# Altium PCB Flow_Pump.PcbDoc (part 3 of 3) (continued)
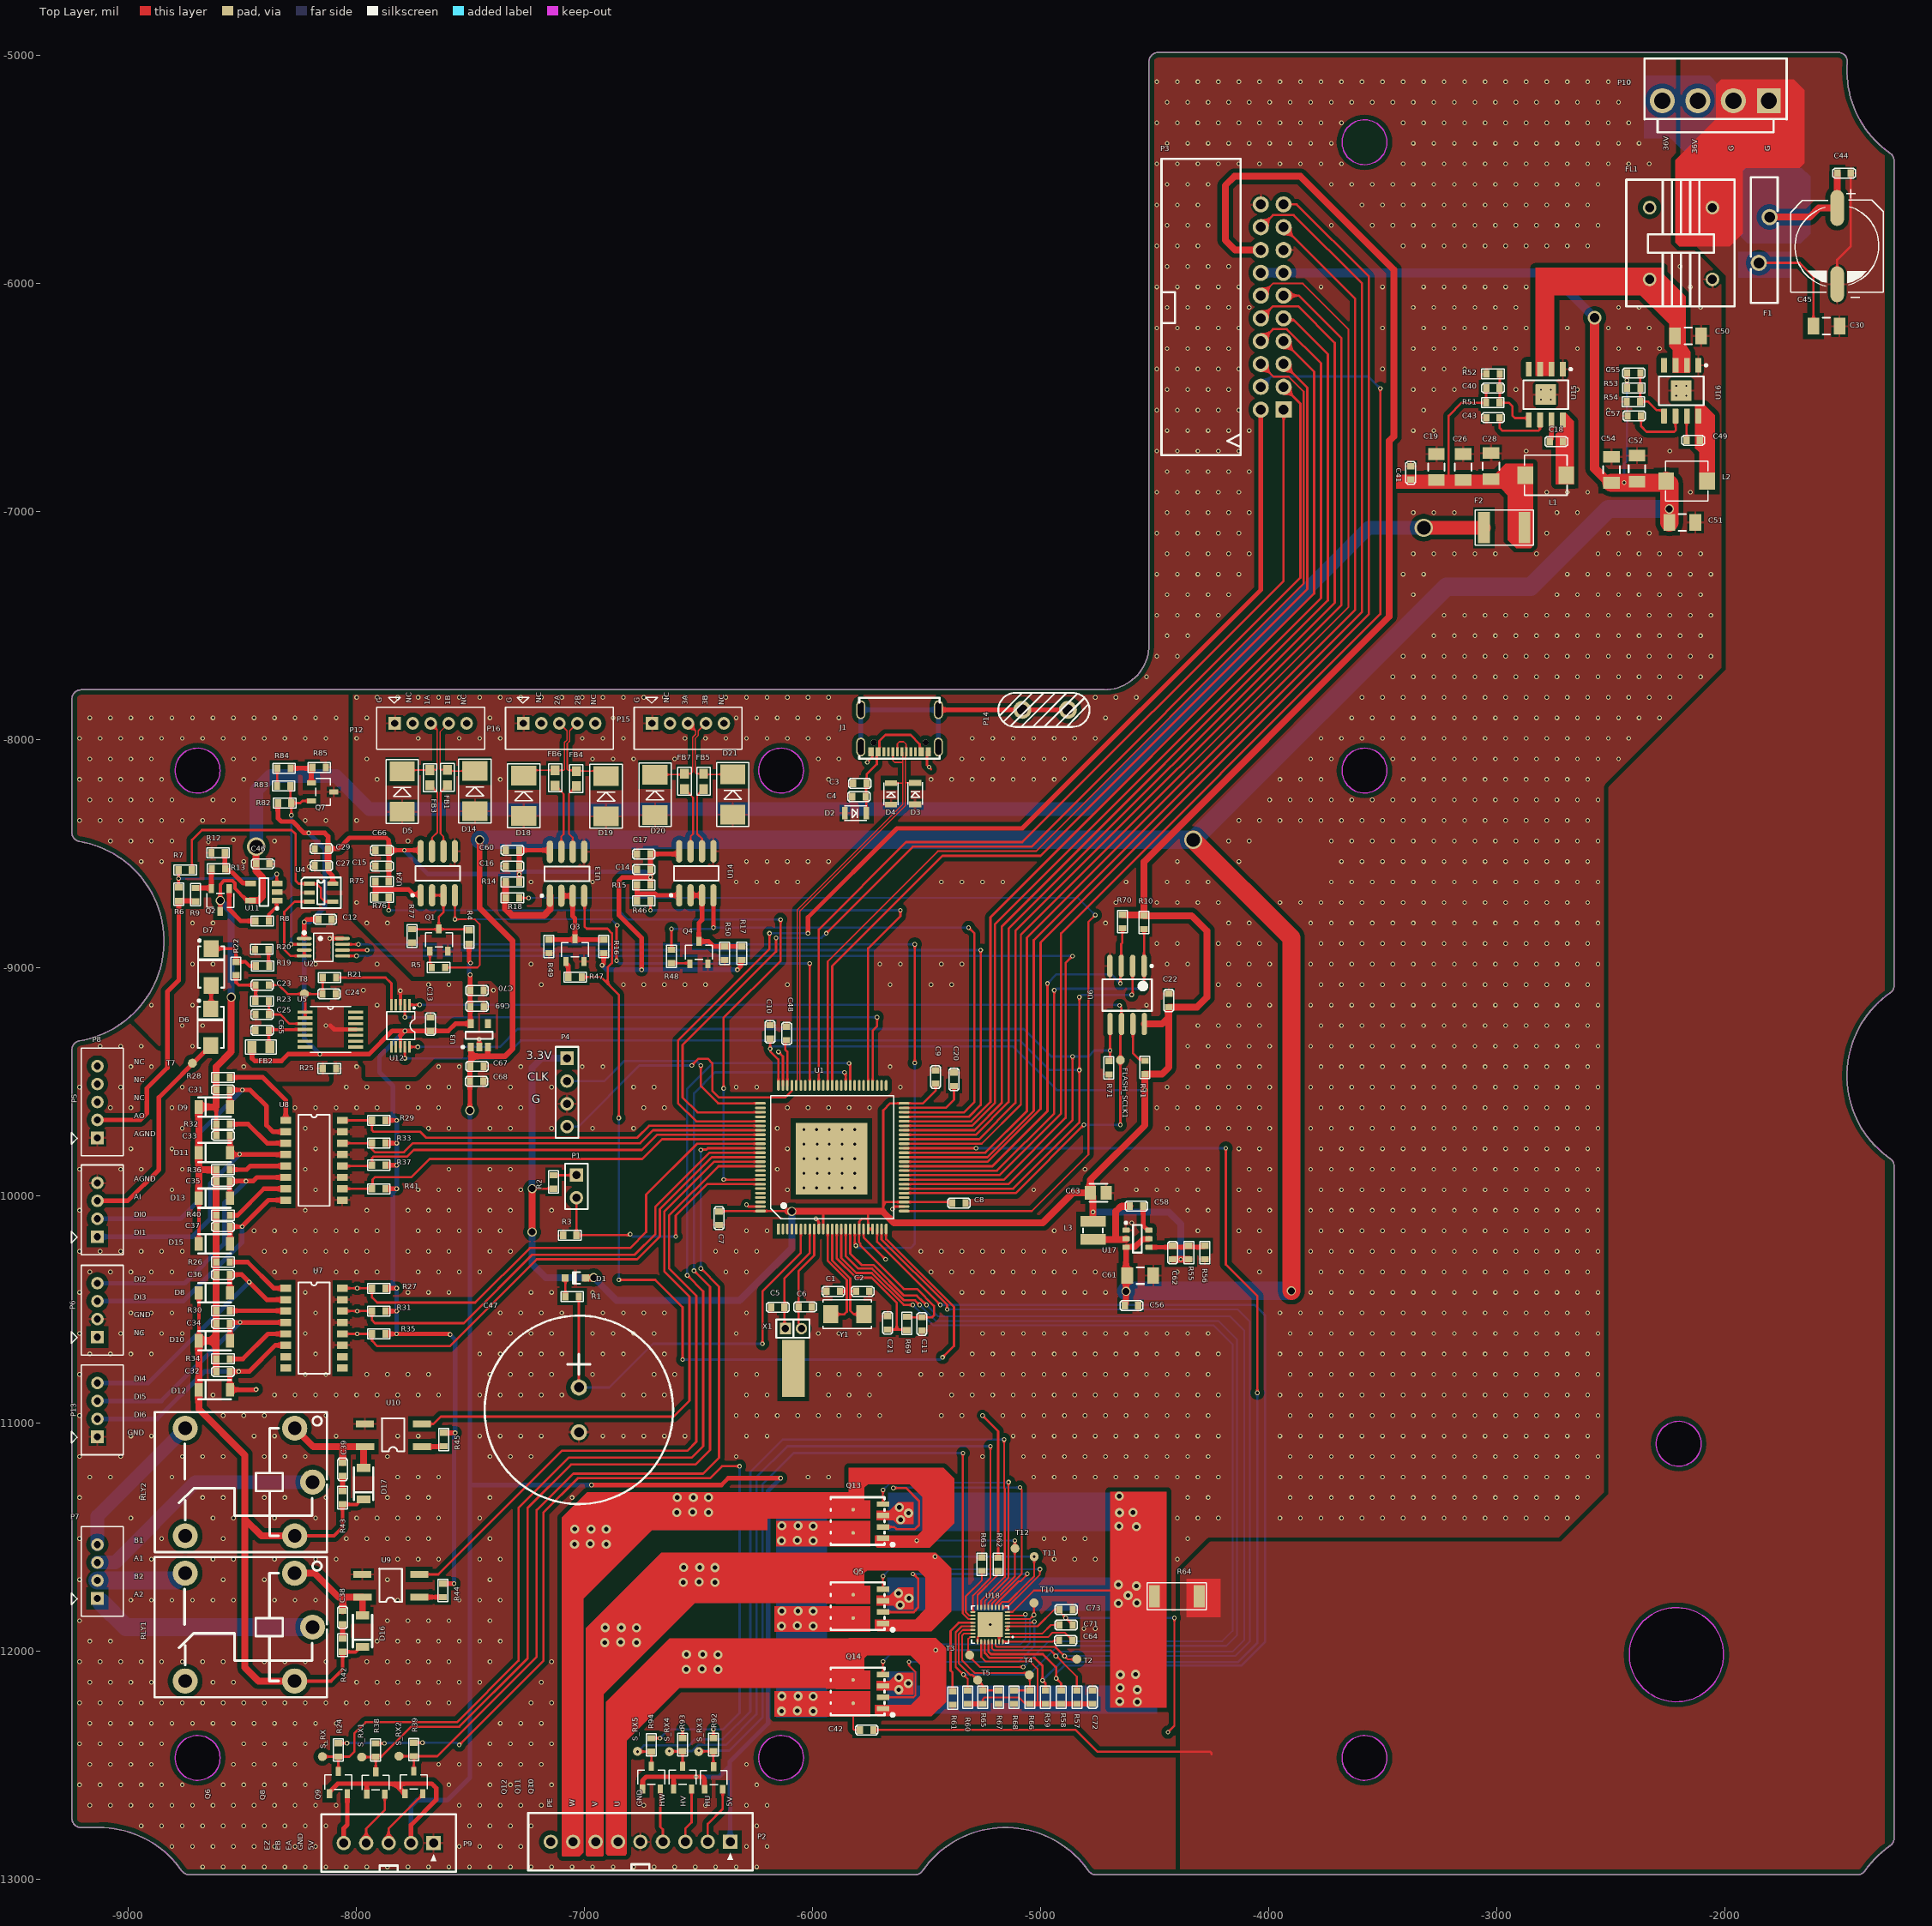
[diagram p0: Top Layer view]
## Nets (pads, with @x,y where several pads share a name; then routed paths per layer and width w, separated by ;. In a path a pad name is that pad's centre, name@x,y a point inside that pad or via, vN(x,y) a via of type N, cw(c..) or ccw(c..) an arc to the next point about the centre after c; other vN are vias at no path point) (continued)
  Bottom Layer w10: v1(-7953.8,-8923.8) v1(-5262.74,-8923.8)
SDA: P3.2 U1.80 | length 4915.7
  Top Layer w10: U1.80@-6228.74,-9674.56 -6510,-9674.56 -6590,-9594.56 -6590,-9320 -6188.76,-8918.76 v1(-6188.76,-8850)
  Top Layer w20: v1(-6020,-8850) -6020,-8780 -5630,-8390 -5080,-8390 -4034,-7344 P3.2@-4034,-6553
  Bottom Layer w10: v1(-6188.76,-8850) v1(-6020,-8850)
SIOUT0: P8.2 R6.2 R9.2 | length 1293.7
  Top Layer w20: P8.2@-9137,-9668.61 -8948.61,-9668.61 -8920,-9640 -8920,-9530 -8830,-9440 -8830,-9105.89 -8780,-9055.89 R6.2@-8780,-8708 -8708.06,-8708 R9.2@-8706,-8710.06
SW1: P3.8 U1.45 | length 4624.7
  Top Layer w10: U1.45@-5598.82,-9694.24 -5300.32,-9694.24 -5200,-9593.93 -5200,-8810 -3770,-7380 -3770,-6350 -3920,-6200 -3981,-6200 P3.8@-4034,-6253
SW2: P3.9 U1.44 | length 4613.8
  Top Layer w10: U1.44@-5598.82,-9713.93 -5290.03,-9713.93 -5170,-9593.9 -5170,-8820 -3740,-7390 -3740,-6310 -3889.84,-6160.16 -3926.84,-6160.16 P3.9@-3934,-6153
SWCLK: P4.2 U1.76 | length 1014.4
  Top Layer w10: v2(-6490,-9430) -6490,-9520 -6414.18,-9595.82 U1.76@-6228.74,-9595.82
  Bottom Layer w10: P4.2@-7077,-9498 -6913.2,-9498 -6825.2,-9410 -6510,-9410 v2(-6490,-9430)
SWD: P4.4 U1.72 | length 1286.1
  Top Layer w10: v2(-6530,-9430) -6500,-9400 -6460,-9400 -6440,-9420 -6440,-9540 -6410,-9570 -6120,-9570 -6091.29,-9541.29 -6091.29,-9517.43 U1.72@-6090.94,-9517.08
  Bottom Layer w10: P4.4@-7077,-9698 -7028,-9698 -6760,-9430 v2(-6530,-9430)
TE: P3.18 U1.38 | length 5468.5
  Top Layer w10: U1.38@-5598.82,-9832.04 -5233.25,-9832.04 -5030,-9628.79 -5030,-8880 -3590,-7440 -3590,-6000 -3890,-5700 -3981,-5700 P3.18@-4034,-5753
USB_N: D3.2 J1.A7 J1.B7 U1.70 | length 1817.5
  Top Layer w6: U1.70@-6051.58,-9517.08 -6051.58,-9497.79 -6055.42,-9493.95 -6055.42,-8752.39 -5621.31,-8318.28 -5621.14,-8318.28 -5592.44,-8289.58 -5592.44,-8192.1 ; J1.A7@-5627.97,-8054 -5627.97,-8017.97 -5620,-8010 -5600,-8010 -5590,-8020 -5590,-8052.6 J1.B7@-5588.6,-8054 -5591.5,-8056.91 -5591.5,-8073.26 -5592.44,-8074.2 -5592.44,-8192.1 ; D3.2@-5550,-8190 -5590.35,-8190 -5592.44,-8192.1
USB_P: D4.2 J1.A6 J1.B6 U1.71 | length 1796.2
  Top Layer w6: U1.71@-6071.26,-9517.08 -6071.26,-9497.79 -6067.42,-9493.95 -6067.42,-8747.42 -5626.28,-8306.28 -5626.11,-8306.28 -5604.44,-8284.61 -5604.44,-8191.39 ; D4.2@-5656,-8191 -5604.83,-8191 -5604.44,-8191.39 ; J1.B6@-5647.65,-8054 -5647.65,-8092.35 -5640,-8100 -5608.37,-8100 -5604.44,-8103.93 ; J1.A6@-5608.28,-8054 -5605.38,-8056.91 -5605.38,-8073.26 -5604.44,-8074.2 -5604.44,-8103.93 ; -5604.44,-8191.39 -5604.44,-8103.93
VCC_3.3V_F: C72.1 R57.2 R58.2 R59.2 R60.2 R65.1 R66.1 U18.26 | length 1072.5
  Top Layer w8: U18.26@-5260.36,-11957.41 -5260.36,-12024.64 -5241,-12044 -5046.22,-12044 -5013.61,-12076.61 -5013.61,-12229.11 -5012.72,-12230 ; R65.1@-5253.44,-12230 -5252.91,-12229.46 -5252.91,-12208.91 -5246,-12202 -5095,-12202 -5071.16,-12225.84 -5051.27,-12225.84 R66.1@-5047.11,-12230
  Top Layer w20: R60.2@-5320,-12230.06 -5253.5,-12230.06 R65.1@-5253.44,-12230 ; R66.1@-5047.11,-12230 -5012.72,-12230 R59.2@-4978.33,-12230 R58.2@-4909.56,-12230 R57.2@-4840.78,-12230 C72.1@-4772,-12230
VCC_5V: C51.1 C52.1 C54.1 C55.1 C56.1 C61.1 C67.1 C68.1 L2.2 P2.1 P3.13 P3.14 P9.2 Q6.1 Q8.1 Q9.1 Q10.1 Q11.1 Q12.1 R53.2 U3.1 U3.3 U17.3 U17.5 | length 21750.2
  Top Layer w10: R53.2@-2428,-6458 v2(-2428,-6425) C55.1@-2428,-6392
  Top Layer w20: Q6.1@-8119.37,-12624.66 -8119.37,-12616.78 -8082.59,-12580 -7957.31,-12580 ; Q8.1@-7955.37,-12626.66 -7955.37,-12581.94 -7957.31,-12580 ; Q9.1@-7788.37,-12623.66 -7788.37,-12615.78 -7790.19,-12613.97 -7798.06,-12613.97 -7832.03,-12580 ; P9.2@-7761.13,-12840.36 -7761.14,-12761.14 -7650,-12650 -7650,-12600 -7660.03,-12589.97 -7670,-12580 -7832.03,-12580 ; v4(-7503,-9627) C68.1@-7503,-9500 -7502.5,-9499.5 -7502.5,-9433.5 C67.1@-7502,-9433 -7499.4,-9430.4 -7499.4,-9389.67 U3.1@-7499.4,-9348.93 ; U3.3@-7424.6,-9348.93 -7424.6,-9389.6 -7424.53,-9389.67 ; v2(-6970,-11270) -6400,-11270 -6370,-11240 v2(-6140,-11240) ; Q12.1@-6746.47,-12602.66 -6744.66,-12600.84 -6744.66,-12564.66 -6730,-12550 -6605.86,-12550 ; Q11.1@-6609.37,-12602.66 -6609.37,-12553.52 -6605.86,-12550 ; Q10.1@-6473,-12604.23 -6474.82,-12602.42 -6474.82,-12556.9 -6481.72,-12550 v2(-6510.95,-12550) -6605.86,-12550 ; -7957.31,-12580 -7832.03,-12580
  Top Layer w25: -7499.4,-9389.67 -7424.53,-9389.67 -7349.67,-9389.67 -7315.5,-9355.5 -7315.5,-8884.43 -7460,-8739.92 v4(-7460,-8440) ; U3.1@-7499.4,-9348.93 U3.1@-7498.91,-9348.44 ; C56.1@-4630.88,-10483.34 -4630.88,-10480.39 -4625.22,-10474.73 U17.3@-4625.22,-10227.15 -4623.54,-10225.47 -4585.47,-10225.47 -4551.42,-10191.42 -4526.5,-10191.42 U17.5@-4524.82,-10189.74
  Top Layer w40: v7(-2570,-6150) -2570,-6810.91 -2506.83,-6874.09 C54.1@-2496,-6874.09
  Top Layer w80: v6(-4330,-8440) -3900,-8870 v4(-3900,-10418.28) ; C54.1@-2496,-6874.09 -2263.77,-6874.09 L2.2@-2255.68,-6866 -2242.09,-6879.6 v4(-2242.09,-6988.81) C51.1@-2242.09,-7048
  Bottom Layer w10: v2@-2441.41,-6874.09 v2(-2440,-6872.68) -2440,-6790 -2428,-6778 v2(-2428,-6425)
  Bottom Layer w20: P9.2@-7761.13,-12840.36 -7761.14,-12679.14 -7734.75,-12652.75 -7602.75,-12652.75 -7503,-12553 -7503,-11270.92 ; v4(-7503,-9627) -7503,-11270.92 ; v2(-6970,-11270) -7502.08,-11270 -7503,-11270.92 ; v2(-6510.95,-12550) -6410,-12550 -6363.12,-12503.12 ; P2.1@-6361.28,-12835 -6361.28,-12650.25 -6363.12,-12648.41 -6363.12,-12503.12 ; v2(-6140,-11240) -6195,-11295 -6195,-12315 -6363.12,-12483.12 -6363.12,-12503.12
  Bottom Layer w40: P3.14@-4034,-5953 P3.13@-3934,-5953 -2767,-5953 v7@-2590,-6130
  Bottom Layer w80: v4(-7460,-8440) v6(-4330,-8440) -3220,-7330 -2850,-7330 -2508.81,-6988.81 v4(-2242.09,-6988.81) ; v4(-4625.22,-10420.41) -4623.08,-10418.28 v4(-3900,-10418.28)
VCC_36V: C50.1 FL1.2 U15.2 U15.3 U16.2 U16.3
VCC_36V_F: C30.1 C42.1 C71.2 C73.1 F1.2 FL1.1 Q5.6 Q13.6 Q14.6 U18.3 U18.4 | length 1983.9
  Top Layer w8: Q14.6@-5822,-12227 -5822,-12340 -5818,-12344 C42.1@-5792,-12344 ; U18.3@-5145.5,-11905.54 U18.4@-5145.5,-11889.79 -5012.83,-11889.79 -4938.96,-11815.92 C73.1@-4918,-11815.92 -4908.22,-11825.7 -4908.22,-11834.64 v1(-4889.94,-11852.92) -4871.67,-11871.19 -4868.72,-11871.19 -4858.94,-11880.97 C71.2@-4858.94,-11883.92 ; v1(-4441,-12354) -4413.1,-12326.1 v1(-4413.1,-11852.92)
  Top Layer w10: F1.2@-1849.62,-5909.39 -1670.61,-5909.39 -1610.09,-5969.91 C30.1@-1610.09,-6187
  Bottom Layer w8: v1(-4889.94,-11852.92) v1(-4413.1,-11852.92)
  other v3: -6136,-12262 -5997,-12262 -6067,-12260 -5997,-12197 -6135,-12196 -6064,-12196 -6136,-11888.5 -5997,-11888.5 -6067,-11886.5 -6135,-11822.5 -6064,-11822.5 -5997,-11823.5 -6136,-11515 -5997,-11515 -6067,-11513 -5997,-11450 -6135,-11449 -6064,-11449
VCC_36V_IN: C44.1 C45.1 F1.1 P10.3 P10.4 | length 466
  Top Layer w30: F1.1@-1802.38,-5708.61 -1626.41,-5708.61 -1586.47,-5668.68 C45.1@-1506,-5668.68 -1505.53,-5668.2 -1505.53,-5516.47 C44.1@-1505.06,-5516
VCC_MCU_3.3V: R24.1 R38.1 R39.1 R92.1 R93.1 R94.1 | length 4319.9
  Top Layer w10: R24.1@-8080,-12402.17 v2(-8042.17,-12402.17) ; R38.1@-7916,-12403.23 v2(-7878.17,-12403.23) ; R39.1@-7749,-12400.23 v2(-7711.17,-12400.23) ; v2(-7550,-12410) -7180,-12040 -7180,-11390 -7030,-11240 -6450,-11240 -6397.61,-11187.61 v2(-6320,-11187.61) ; R94.1@-6707.1,-12380.17 v2(-6669.27,-12380.17) ; R93.1@-6570,-12379.23 v2(-6570,-12341.4) ; R92.1@-6435.15,-12379.23 v2(-6435.15,-12341.4)
  Bottom Layer w10: v2(-8042.17,-12402.17) -8041.2,-12401.2 -7712.15,-12401.2 v2(-7711.17,-12400.23) -7562.48,-12400.23 -7552.71,-12410 v2(-7550,-12410) ; v2(-6669.27,-12380.17) -6630.5,-12341.4 v2(-6570,-12341.4) v2(-6435.15,-12341.4) -6391.4,-12341.4 -6320,-12270 v2(-6320,-11187.61) v2@-6318.93,-11186.53
VDS: R66.2 R68.1 T4.1 U18.23 | length 618.9
  Top Layer w8: U18.23@-5296.49,-11921.29 -5335.71,-11921.29 -5344,-11929.58 -5344,-12039.5 -5293.5,-12090 -5293.06,-12090 -5289.06,-12094 -5066.49,-12094 -5057.49,-12103 T4.1@-5049,-12103 ; R68.1@-5115.89,-12170.94 R66.2@-5047.11,-12170.94 T4.1@-5047.11,-12103
VFB: U2.3 U2.4 U4.3 | length 418.3
  Top Layer w10: U2.3@-8229.9,-8923.8 U2.4@-8229.9,-8949.39 -8289.61,-8949.39 -8317,-8922 -8317,-8756 -8272.37,-8711.37 U4.3@-8207.18,-8711.37
VUSB: C3.2 C4.2 D2.2 J1.A4 J1.A9 J1.B4 J1.B9 | length 598.1
  Top Layer w10: D2.2@-5764,-8323 -5764,-8234.21 -5764.94,-8233.27 -5764.94,-8195 C3.2@-5762.94,-8193 -5762.94,-8152.94 -5718.52,-8108.52 J1.B4@-5718.52,-8054 J1.A9@-5706.71,-8054 -5706.71,-8006.71 -5680,-7980 -5570,-7980 -5529.54,-8020.46 J1.A4@-5529.54,-8054 J1.B9@-5517.73,-8054
WARN: P3.11 U1.42 | length 4832.7
  Top Layer w10: U1.42@-5598.82,-9753.3 -5269.17,-9753.3 -5110,-9594.13 -5110,-8840 -3680,-7410 -3680,-6240 -3867,-6053 P3.11@-3934,-6053
pads on no net: C19.0 C26.0 C28.0 C30.0 C50.0 C51.0 C52.0 C54.0 C61.0 C63.0 J1.2 J1.A5 J1.A8 J1.B5 J1.B8 P6.1 P8.3 P8.4 P8.5 P12.2 P12.5 P15.2 P15.5 P16.2 P16.5 RLY1.3 RLY2.3 U1.1 U1.2 U1.3 U1.4 U1.5 U1.7 U1.29 U1.51 U1.52 U1.53 U1.56 U1.57 U1.58 U1.61 U1.62 U1.65 U1.67 U1.69 U1.77 U1.79 U1.91 U1.92 U1.95 U1.96 U1.97 U1.98 U1.101 U3.4 U5.5 U5.6 U5.7 U5.8 U5.9 U5.10 U5.12 U5.13 U5.14 U7.7 U7.8 U7.9 U7.10 U12.4 U12.6 U12.7 U15.4 U16.4 X1.3
copper on no net:
  other v2: -6038,-9967 -5982.25,-9967 -5926.5,-9967 -5870.75,-9967 -5815,-9967 -6038,-9903 -5980,-9903 -5927,-9903 -5870,-9903 -5815,-9903 -6038,-9839 -5980,-9839 -5927,-9839 -5870,-9839 -5815,-9839 -6038,-9775 -5980,-9775 -5927,-9775 -5870,-9775 -5815,-9775 -6038,-9711 -5982.25,-9711 -5926.5,-9711 -5870.75,-9711 -5815,-9711

## Polygon pours and split planes (outlines as drawn)
GND on Bottom Layer "GND_L02_P005" (solid, remove dead copper, pour order 5): -10682,-4074 -9892,-4864 308,-4864 308,-13074 -1232,-14614 -1562,-14284 -9822,-14284 -9822,-4824 -10042,-4604
VCC_36V_F on Bottom Layer "VCC_36V_F_L02_P000" (solid, remove dead copper, pour order 0): -6161.82,-12109 -5847,-12109 -5743,-12213 -5743,-12308 -2772,-12308 -2522,-12058 -2522,-8221 -1907,-7606 -1907,-6076 -1985,-5998 -1985,-5983 -2108,-5860 -2463,-5860 -2503,-5820 -2503,-5583 -2461,-5541 -2225,-5541 -2128,-5638 -2128,-5703 -2095,-5703 -1954,-5844 -1714,-5844 -1311,-6247 -1311,-6674 -1311,-12797 -1623,-13109 -6063,-13109 -6161.82,-13010.18
ISO_GND on Bottom Layer "ISO_GND_L02_P003" (solid, remove dead copper, pour order 3): -9310,-7730 -9257.69,-7782.31 -8035.7,-7782.31 -8035.7,-8783.37 -7759.07,-9060 -7410,-9060 -7380,-9090 -7380,-9390.64 -7387.68,-9398.32 -7658.31,-9398.32 -7740,-9480 -7960,-9480 -7960,-9430 -8000,-9390 -8088.18,-9390 -8120,-9421.82 -8120,-9500 -8710,-9500 -9300,-8910 -9300,-7760
GND on Top Layer "GND_L01_P004" (solid, remove dead copper, pour order 4): -10670,-4080 -9880,-4870 320,-4870 320,-13080 -1220,-14620 -1550,-14290 -9810,-14290 -9810,-4830 -10030,-4610
RTN on Top Layer "RTN_L01_P001" (solid, remove dead copper, pour order 1): -2193,-4920 -1298,-4920 -1298,-13259 -1506,-13467 -1806,-13167 -4234,-13167 -4388,-13321 -4388,-11650 -4257,-11519 -2718,-11519 -2509,-11310 -2509,-8209 -1993,-7693 -1993,-5966 -2123,-5836 -2198,-5836 -2198,-5692 -2193,-5687
ISO_GND on Top Layer "ISO_GND_L01_P002" (solid, remove dead copper, pour order 2): -9310,-7730 -9257.69,-7782.31 -8035.7,-7782.31 -8035.7,-8783.37 -7759.07,-9060 -7410,-9060 -7380,-9090 -7380,-9390.64 -7387.68,-9398.32 -7658.31,-9398.32 -7740,-9480 -7960,-9480 -7960,-9430 -8000,-9390 -8088.18,-9390 -8120,-9421.82 -8120,-9500 -8710,-9500 -9300,-8910 -9300,-7760

## Keep-outs
Keep-Out Layer:
  circle w5: c-2210.97,-12014.13 r206.69
  circle w5: c-3579.08,-12466.88 r98.43
  circle w5: c-3579.08,-8136.17 r98.43
  circle w5: c-8697.19,-12466.88 r98.43
  circle w5: c-2201.13,-11088.93 r98.43
  circle w5: c-3579.08,-5380.27 r98.43
  circle w5: c-6138.13,-12466.88 r98.43
  circle w5: c-8697.19,-8136.17 r98.43
  circle w5: c-6138.13,-8136.17 r98.43
  lines w5: -9248.37,-12732.63 ccw(c-9209,-12732.63) -9209,-12772 -9130.26,-12772 cw(c-9130.26,-13214.91) -8766.78,-12961.82 ccw(c-8734.47,-12939.32) -8734.47,-12978.69 -5549.67,-12978.69 ccw(c-5549.67,-12939.32) -5517.36,-12961.82 cw(c-5153.88,-13214.91) -4790.4,-12961.82 ccw(c-4758.1,-12939.32) -4758.1,-12978.69 -1415.81,-12978.69 ccw(c-1415.81,-12939.32) -1383.5,-12961.82 cw(c-1020.02,-13214.91) -1273.12,-12851.44 ccw(c-1295.61,-12819.13) -1256.24,-12819.13 -1256.24,-9870.54 ccw(c-1295.61,-9870.54) -1273.12,-9838.23 cw(c-1020.02,-9474.76) -1273.12,-9111.28 ccw(c-1295.61,-9078.97) -1256.24,-9078.97 -1256.24,-5461.09 ccw(c-1295.61,-5461.09) -1273.12,-5428.78 cw(c-1020.02,-5065.31) -1461.46,-5029.15 ccw(c-1500.7,-5025.94) -1500.7,-4986.57 -4484.73,-4986.57 ccw(c-4484.73,-5025.94) -4524.1,-5025.94 -4524.1,-7584.99 cw(c-4720.95,-7584.99) -4720.95,-7781.84 -9209,-7781.84 ccw(c-9209,-7821.21) -9248.37,-7821.21 -9248.37,-8408.39 ccw(c-9209,-8408.39) -9215.43,-8447.23 cw(c-9287.74,-8884.2) -9215.43,-9321.18 ccw(c-9209,-9360.02) -9248.37,-9360.02 -9248.37,-12732.63

## Other copper
Top Layer:
  rectangle net RTN: -4360,-11850 -4210,-11680
  rectangle net VCC_36V: -2830,-6052.22 -2270.8,-5930
  rectangle net VCC_36V: -2830,-6406.34 -2746.2,-5930
  rectangle net GSC: -6715,-11468 -6197,-11356
  rectangle net ISEN: -4696,-12247 -4446,-11299
  rectangle net VCC_36V_F: -6168,-12287 -5747,-12174
  rectangle net VCC_36V_F: -6168,-11913.5 -5747,-11800.5
  rectangle net VCC_36V_F: -6161,-11540 -5747,-11427
  region net GSB: -6920,-12898 -6917,-12895 -6917,-12187 -6517,-11787 -5775,-11787 -5775,-11567 -6663,-11567 -6995,-11899 -6995,-12892 -6989,-12898 -6985,-12898
  region net GSB: -5727,-11860.5 -5727,-11899.5 -5716,-11910.5 -5478,-11910.5 -5392,-11824.5 -5392,-11634.5 -5459,-11567.5 -5841,-11567.5 -5841,-11736.14 -5828.64,-11748.5 -5778,-11748.5 -5773,-11743.5 -5773,-11655.5 -5761,-11643.5 -5537.5,-11643.5 -5504,-11677 -5504,-11814 -5550.5,-11860.5
  region net NetC19_1: -3440,-6840 -3010,-6840 -2960,-6790 -2840,-6790 -2840,-7150 -2850,-7160 -2914.13,-7160 -2950,-7124.13 -2950,-6930 -2980,-6900 -3440,-6900
  region net NetC18_2: -2721.23,-6566.3 -2697.56,-6566.3 -2660.38,-6603.49 -2660.38,-6878.8 -2661.58,-6880 -2740,-6880 -2740,-6660 -2721.8,-6641.8 -2721.8,-6566.86
  region net NetC49_2: -2087.01,-6532.99 -2042.38,-6577.62 -2042.38,-6903.8 -2110.25,-6903.8 -2110.25,-6739.75 -2130,-6720 -2128.17,-6718.17 -2128.17,-6532.99
  region net VCC_36V: -2150,-6300 -2150,-6387.93 -2152.77,-6390.7 -2227.23,-6390.7 -2227.23,-6292.77 -2242.68,-6277.32 -2242.68,-6177.32 -2390,-6030 -2390,-5940
  region net VCC_36V: -2390,-5940 -2287.01,-5940 -2170,-6057.01 -2170,-6280 -2150,-6300
  region net RTN: -2014,-5105 -1697,-5105 -1650,-5152 -1650,-5472 -1671,-5493 -1908,-5493 -1921,-5506 -1921,-5780 -1977,-5836 -2198,-5836 -2215,-5819 -2215,-5458 -2036,-5279 -2036,-5127
  region net ISEN: -5719,-12129 -5662,-12129 -5626,-12093 -5558,-12093 -5558,-12189 -5628.3,-12189 -5646.3,-12171 -5719,-12171
  region net ISEN: -5719,-11755.5 -5662,-11755.5 -5626,-11719.5 -5558,-11719.5 -5558,-11815.5 -5628.3,-11815.5 -5646.3,-11797.5 -5719,-11797.5
  region net ISEN: -5719,-11382 -5662,-11382 -5626,-11346 -5558,-11346 -5558,-11442 -5628.3,-11442 -5646.3,-11424 -5719,-11424
  region net GSC: -5727,-11492 -5727,-11536 -5718,-11545 -5486,-11545 -5378,-11437 -5378,-11242 -5426,-11194 -5841,-11194 -5841,-11362.64 -5828.64,-11375 -5778,-11375 -5773,-11370 -5773,-11282 -5757,-11266 -5574,-11266 -5517.61,-11322.39 -5517.61,-11468.61 -5541,-11492
  region net GSA: -5727,-12234 -5727,-12273 -5716,-12284 -5478,-12284 -5415,-12221 -5415,-11985 -5459,-11941 -5841,-11941 -5841,-12109.64 -5828.64,-12122 -5778,-12122 -5773,-12117 -5773,-12029 -5761,-12017 -5570,-12017 -5528,-12059 -5528,-12194 -5568,-12234
  region net GSA: -6899,-12894 -6821,-12894 -6815,-12888 -6815,-12390 -6585,-12160 -5815,-12160 -5815,-11944 -6628,-11944 -6905,-12221 -6905,-12888
  region net GSC: -7022,-12899 -7005,-12882 -7005,-11768 -6653,-11416 -5780,-11416 -5773,-11409 -5773,-11302 -6989,-11302 -7099,-11412 -7099,-12896 -7096,-12899
Bottom Layer:
  rectangle net VCC_36V_F: -1940,-5974.7 -1708.76,-5860
  rectangle net ISEN: -4684,-12246 -4490,-12081
  rectangle net ISEN: -5673,-12220 -5542,-12088
  rectangle net VCC_36V_F: -6160,-12291 -5937,-11304
  rectangle net ISEN: -5669,-11472 -4463,-11302
  rectangle net ISEN: -5672,-12274 -4488,-12150
  rectangle net ISEN: -5673,-11822 -4462,-11675
  region net GSA: -6899,-12894 -6821,-12894 -6815,-12888 -6815,-12390 -6575,-12150 -6363,-12150 -6363,-11960 -6620,-11960 -6905,-12245 -6905,-12888
  region net VCC_36V_IN: -2352,-5088 -2066,-5088 -2027,-5127 -2027,-5318 -1851,-5494 -1660,-5494 -1624,-5530 -1624,-5782 -1666,-5824 -1899,-5824 -1971,-5752 -1971,-5629 -2237,-5363 -2352,-5363
  region net GSB: -6920,-12898 -6920,-12190 -6517,-11787 -6356,-11787 -6356,-11569 -6665,-11569 -6995,-11899 -6995,-12892 -6989,-12898 -6985,-12898
  region net GSC: -7022,-12899 -7005,-12882 -7005,-11768 -6705,-11468 -6352,-11468 -6352,-11302 -6989,-11302 -7099,-11412 -7099,-12896 -7096,-12899

## Silkscreen, mask and mechanical layers (free items; w line width, h text height)
Top Overlay:
  text "Flow_Pump_V1.0" at 5849,7310 h40
  text "20241020" at 5850,7074 h40
  text "36V" at -2236.93,-5417.68 h40 r90
  text "G" at -1950,-5420 h40 r90
  text "G" at -1790,-5420 h40 r90
  text "36V" at -2110,-5430 h40 r90
  text "G" at -7880,-7840 h40 r90
  text "NC" at -7750,-7840 h40 r90
  text "G" at -7310,-7840 h40 r90
  text "NC" at -7180,-7840 h40 r90
  text "G" at -6750,-7840 h40 r90
  text "NC" at -6620,-7840 h40 r90
  text "1A" at -7670,-7850 h40 r90
  text "1B" at -7580,-7850 h40 r90
  text "NC" at -7510,-7850 h40 r90
  text "2A" at -7100,-7850 h40 r90
  text "2B" at -7010,-7850 h40 r90
  text "NC" at -6940,-7850 h40 r90
  text "3A" at -6540,-7850 h40 r90
  text "3B" at -6450,-7850 h40 r90
  text "NC" at -6380,-7850 h40 r90
  text "3.3V" at -7254.96,-9415.04 h60
  text "NC" at -8977,-9434.78 h40
  text "CLK" at -7250,-9510 h60
  text "NC" at -8977,-9513.52 h40
  text "NC" at -8977,-9592.26 h40
  text "G" at -7230.71,-9607.48 h60
  text "AO" at -8977,-9671 h40
  text "AGND" at -8977,-9749.74 h40
  text "AGND" at -8977,-9947.26 h40
  text "AI" at -8977,-10026 h40
  text "DI0" at -8977,-10104.74 h40
  text "DI1" at -8977,-10183.48 h40
  text "DI2" at -8977,-10387.26 h40
  text "DI3" at -8977,-10466 h40
  text "GND" at -8977,-10544.74 h40
  text "NC" at -8977,-10623.48 h40
  text "DI4" at -8977,-10824.74 h40
  text "DI5" at -8977,-10903.48 h40
  text "DI6" at -8977,-10982.22 h40
  text "GND" at -9005,-11061 h40
  text "B1" at -8977,-11533.52 h40
  text "A1" at -8977,-11612.26 h40
  text "B2" at -8977,-11691 h40
  text "A2" at -8977,-11769.74 h40
  text "W" at -7032.88,-12681 h40 r90
  text "V" at -6934.46,-12681 h40 r90
  text "U" at -6836.03,-12681 h40 r90
  text "GND" at -6737.6,-12681 h40 r90
  text "HW" at -6639.18,-12681 h40 r90
  text "HV" at -6546,-12681 h40 r90
  text "HU" at -6439,-12681 h40 r90
  text "5V" at -6343,-12681 h40 r90
  text "PE" at -7132,-12685 h40 r90
  text "EZ" at -8371,-12872 h40 r90
  text "EB" at -8324,-12872 h40 r90
  text "EA" at -8277,-12872 h40 r90
  text "GND" at -8226,-12872 h40 r90
  text "5V" at -8179,-12873 h40 r90
Top Solder:
  region: -6899,-12690 -6821,-12690 -6821,-12381 -6604.56,-12164.56 -6363,-12164.56 -6363,-11943 -6613,-11943 -6899,-12229
  region: -6920,-12690 -6920,-12160 -6530,-11770 -6356,-11770 -6356,-11569 -6629,-11569 -6989,-11929 -6989,-12690
  region: -7022,-12690 -7022,-11785 -6653,-11416 -5780,-11416 -5773,-11409 -5773,-11302 -6989,-11302 -7096,-11409 -7096,-12690
Mechanical 1:
  drawing of 14077 lines, arcs and shapes, not listed
  text "15,00" at 28779.19,-7517.41 h40
  text "15,00" at 25556.83,-8980.73 h40
Mechanical 2:
  circle w2.5: c27707.18,-9093.87 r1.25
  circle w2.5: c27707.18,-9790.69 r1.25
  circle w2.5: c27116.6,-9790.69 r1.25
  circle w2.5: c29264.23,-7645.11 r1.25
  circle w2.5: c29197.3,-7645.11 r1.25
  circle w2.5: c29197.3,-7054.47 r1.25
  lines w5: 15843.92,-19580.06 17261.24,-19580.06 ; 15843.92,-19265.1 17261.24,-19265.1 ; 15843.92,-18792.66 17261.24,-18792.66 ; 15843.92,-18477.7 17261.24,-18477.7 ; 15843.92,-18005.26 17261.24,-18005.26 ; 15843.92,-17217.85 17261.24,-17217.85 ; 15843.92,-16902.89 17261.24,-16902.89 ; 15843.92,-16430.45 17261.24,-16430.45 ; 15843.92,-16115.49 17261.24,-16115.49 ; 15843.92,-15643.05 17261.24,-15643.05 ; 15843.92,-15328.09 17261.24,-15328.09 ; 15843.92,-14855.65 17261.24,-14855.65 ; 17261.24,1833.74 17261.24,-20052.5 ; 33819.58,-19501.32 38543.99,-19501.32 ; 33819.58,-18950.14 47992.81,-18950.14 ; 33819.58,-18398.96 38543.99,-18398.96 ; 33819.58,-17847.78 38543.99,-17847.78 ; 33819.58,-17454.07 38543.99,-17454.07 ; 33819.58,-17060.37 43268.4,-17060.37 ; 33819.58,-16666.67 38543.99,-16666.67 ; 33819.58,-16272.97 38543.99,-16272.97 ; 34606.98,-17847.78 34606.98,-15879.27 ; 35000.69,-20052.5 35000.69,-17847.78 ; 35394.39,-17847.78 35394.39,-15879.27 ; 36181.79,-20052.5 36181.79,-17847.78 ; 36969.19,-17847.78 36969.19,-15879.27 ; 37362.89,-20052.5 37362.89,-17847.78 ; 37756.59,-17847.78 37756.59,-15879.27 ; 38543.99,-20052.5 38543.99,-15879.27 ; 39961.32,-20052.5 39961.32,-18950.14 ; 43268.4,-20052.5 43268.4,-15879.27 ; 43268.4,-18477.7 47992.81,-18477.7 ; 43268.4,-17611.56 47992.81,-17611.56 ; 43268.4,-17139.11 47992.81,-17139.11 ; 43858.95,-18477.7 43858.95,-17611.56 ; 44449.5,-18477.7 44449.5,-17611.56 ; 45040.06,-18477.7 45040.06,-17611.56 ; 45630.61,-18950.14 45630.61,-17139.11 ; 47205.41,-18477.7 47205.41,-17139.11 ; 15843.92,-20052.5 15843.92,1833.74 47992.81,1833.74 47992.81,-15879.27 ; 15843.92,-20052.5 15843.92,-14540.69 17261.24,-14540.69 17261.24,-20052.5 ; 15843.92,-20052.5 17261.24,-20052.5 ; 17261.24,-20052.5 33819.58,-20052.5 ; 33819.58,-20052.5 33819.58,-15879.27 47992.81,-15879.27 ; 33819.58,-20052.5 47992.81,-20052.5 47992.81,-15879.27 ; 15843.92,-17690.3 17261.24,-17690.3 15843.92,-17690.3
  text "电容及整流桥有干涉要移开}" at 4574.47,-5041.75 h40
  text "机构转动风叶}" at 32666.29,-8483.61 h40
  text "电容比较理想的位置}" at 33039.51,-10823.98 h40
  text "电机位置}" at 27923.69,-12199.85 h40
  text "红色线区域放大电容位置}" at 31666.23,-12199.85 h40
  text "红色线区域放大电容位置}" at -968.65,-14404.06 h40
  text "借(通)用登U" at 15977.25,-14628.95 h40
  text "描U" at 16256.45,-15399.69 h40
  text "描校" at 16278.22,-16181.73 h40
  text "旧底UU号" at 16039.64,-16995.97 h40
  text "图样标记" at 43842.41,-17312.5 h40
  text "比例" at 47283.52,-17322 h40
  text "数量/台" at 45717.27,-17326.35 h40
  text "U数" at 34737.28,-17557.37 h40
  text "U字" at 37057.6,-17558.67 h40
  text "更改文件号" at 35532.35,-17569.7 h40
  text "日期" at 37892.67,-17573.28 h40
  text "标记" at 33946.59,-17575.07 h40
  text "底UU号" at 16098.89,-17793.22 h40
  text "U准化" at 36285.68,-18037.85 h40
  text "设计" at 34113.79,-18054.2 h40
  text "第       U" at 46210.56,-18579.78 h40
  text "共       U" at 43801.52,-18588.87 h40
  text "U字" at 16333.57,-18600.93 h40
  text "绘图" at 34090,-18619.96 h40
  text "批准" at 36374.5,-18632.51 h40
  text "U核" at 34062.2,-19174.79 h40
  text "日期" at 16288.81,-19349.84 h40
  text "." at 43437.96,-19386.74 h40
  text "材料" at 38965.55,-19469.84 h40
  text "工U" at 34058.81,-19656.09 h40
  text "日期" at 36391.17,-19686.59 h40
Mechanical 3:
  lines w5: -2791.92,-7427.98 4537.08,-4884.85 ; -2319.48,-8274.43 4537.08,-4884.85 ; -1776.86,-11927.97 613.91,-11451.17 1974.07,-11451.17 ; 234.53,-14261.77 -1113.17,-14261.77 -3068.38,-12693.82 ; 6532.65,-4884.85 4537.08,-4884.85 ; -3225,-9593.33 -3225,-8530.34 -2319.48,-8530.34 -2319.48,-9593.33 ; -3225,-9593.33 -2319.48,-9593.33 ; -3225,-9593.33 -3225,-10616.95 -1413.97,-10616.95 -1413.97,-10223.25 -2319.48,-10223.25 -2319.48,-9593.33 ; -3068.38,-12693.82 -4927.71,-12693.82 -4927.71,-9849.32 -1463.18,-9849.32 -1463.18,-10950.11 -3068.38,-10950.11 -3068.38,-12693.82 ; -8894.29,-12191.76 -8146.26,-12191.76 -8146.26,-11601.21 -8894.29,-11601.21 -8894.29,-12191.76 ; -8894.29,-11561.84 -8894.29,-10971.28 -8146.26,-10971.28 -8146.26,-11561.84 -8894.29,-11561.84 ; -5036.02,-10538.21 -4694.53,-10538.21 ccw(c-4386.41,-10105.14) -4078.29,-10538.21 -3736.81,-10538.21 -3736.81,-9672.07 -4078.29,-9672.07 ccw(c-4386.41,-10105.14) -4694.53,-9672.07 -5036.02,-9672.07 -5036.02,-10538.21 ; -3225,-8412.23 -3225,-8136.64 -2319.48,-8136.64 -2319.48,-8412.23 -3225,-8412.23
  text "∅10,50" at 730.74,-11338.03 h40